# KiCad board LogicBoard_tht2.kicad_pcb (continued)
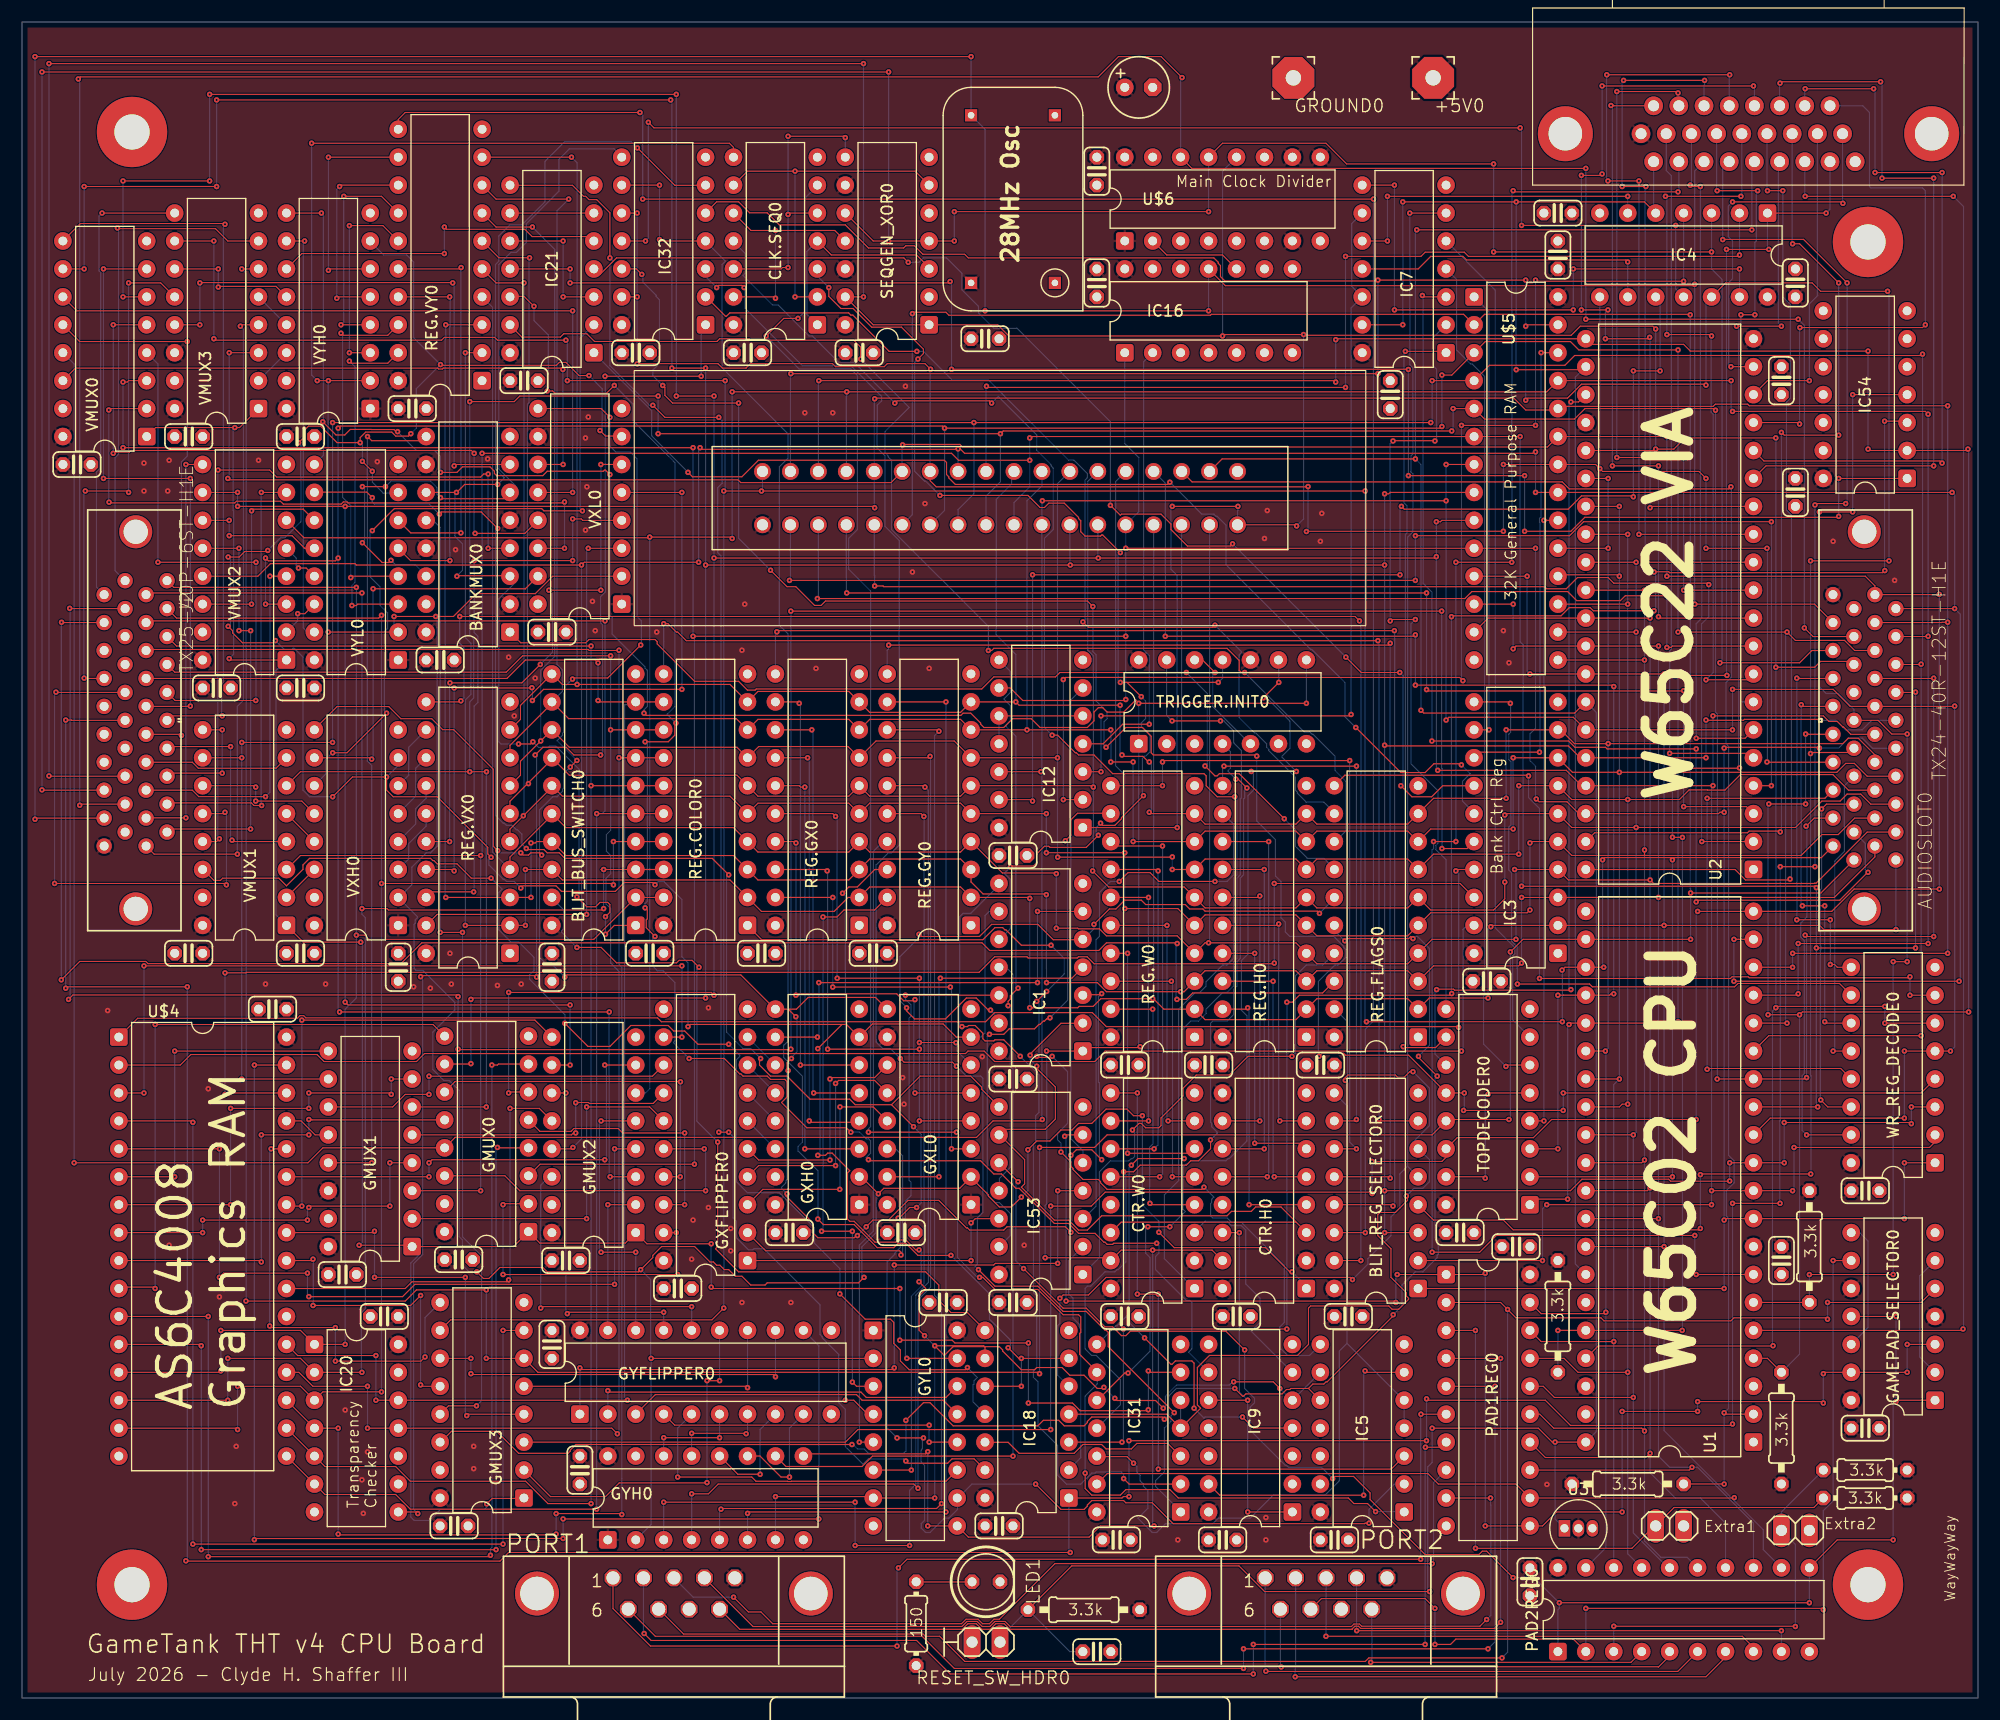
[diagram p0: board, top side]
## Nets (continued)
/CPU and address decode/~{REGSSEL}: IC32.12 TOPDECODER0.12 WR_REG_DECODE0.4
/CPU and address decode/~{RESET}: C47.1 J1.5 R2.2 RESET_SW_HDR0.2 U1.40 U2.34 U3.1 U$3.P$35
/CPU and address decode/~{SPI_CS}: U2.4 U$3.P$2
/CPU and address decode/~{VIASEL}: TOPDECODER0.11 U2.23
/cpu-blitter-inputs_6/~{CLK28}: IC16.10 U$6.2
/DMA Controller/COLORFILL: GMUX3.14 IC5.10 REG.FLAGS0.16
/DMA Controller/DD0: BLIT_BUS_SWITCH0.2 IC20.1 J2.40 REG.COLOR0.19 U$4.13
/DMA Controller/DD1: BLIT_BUS_SWITCH0.3 IC20.2 J2.39 REG.COLOR0.18 U$4.14
/DMA Controller/DD2: BLIT_BUS_SWITCH0.4 IC20.3 J2.38 REG.COLOR0.17 U$4.15
/DMA Controller/DD3: BLIT_BUS_SWITCH0.5 IC20.6 J2.37 REG.COLOR0.16 U$4.17
/DMA Controller/DD4: BLIT_BUS_SWITCH0.6 IC20.5 J2.36 REG.COLOR0.15 U$4.18
/DMA Controller/DD5: BLIT_BUS_SWITCH0.7 IC20.4 J2.35 REG.COLOR0.14 U$4.19
/DMA Controller/DD6: BLIT_BUS_SWITCH0.8 IC20.11 J2.34 REG.COLOR0.13 U$4.20
/DMA Controller/DD7: BLIT_BUS_SWITCH0.9 IC20.12 J2.33 REG.COLOR0.12 U$4.21
/DMA Controller/DMAMODE: BLIT_REG_SELECTOR0.6 IC18.4 IC31.4 IC31.5 REG.FLAGS0.19
/DMA Controller/GA14: GXFLIPPER0.12 U$4.3
/DMA Controller/GA15: GYFLIPPER0.12 U$4.31
/DMA Controller/GA16: IC3.19 U$4.2
/DMA Controller/GA17: IC3.18 U$4.30
/DMA Controller/GA18: IC3.17 U$4.1
/DMA Controller/GX-CARRY: GXH0.10 IC1.6
/DMA Controller/GX-CARRY?: GXL0.15 IC1.4
/DMA Controller/GY-CARRY: GYH0.10 IC1.11
/DMA Controller/GY-CARRY?: GYL0.15 IC1.12
/DMA Controller/IRQ: IC9.9 IC21.12
/DMA Controller/IRQ-ENABLE: IC21.13 REG.FLAGS0.13
/DMA Controller/OFFSCR_X: IC21.2 VXH0.11
/DMA Controller/OFFSCR_Y: IC21.5 VYH0.11
/DMA Controller/P0: CLK.SEQ0.11 CTR.W0.1
/DMA Controller/P1: CLK.SEQ0.8 CTR.H0.1 GXH0.2 GXL0.2 GYH0.2 GYL0.2 VXH0.2 VXL0.2 VYH0.2 VYL0.2
/DMA Controller/P2: CLK.SEQ0.6 IC5.1 IC31.9
/DMA Controller/P3: CLK.SEQ0.3 IC1.10 TRIGGER.INIT0.11
/DMA Controller/ROWCOMPLETE: GYL0.10 IC5.2 IC53.8 VYL0.10
/DMA Controller/RUNNING: GXH0.7 GXL0.7 GYH0.7 GYL0.7 IC1.9 IC5.9 IC9.5 IC18.9 VXH0.7 VXL0.7 VYH0.7 VYL0.7
/DMA Controller/SEQGEN_HIGH: CLK.SEQ0.2 CLK.SEQ0.9 SEQGEN_XOR0.6
/DMA Controller/SEQGEN_LOW: CLK.SEQ0.1 CLK.SEQ0.4 SEQGEN_XOR0.3
/DMA Controller/TRIGGER-SELECT: BLIT_REG_SELECTOR0.9 IC5.4 IC5.5 IC31.12
/DMA Controller/V/_G: BANKMUX0.1 REG.FLAGS0.14
/DMA Controller/VA0: J2.32 VMUX0.4
/DMA Controller/VA1: J2.31 VMUX0.7
/DMA Controller/VA2: J2.30 VMUX0.9
/DMA Controller/VA3: J2.29 VMUX0.12
/DMA Controller/VA4: J2.28 VMUX1.4
/DMA Controller/VA5: J2.27 VMUX1.7
/DMA Controller/VA6: J2.26 VMUX1.9
/DMA Controller/VA7: J2.25 VMUX2.4
/DMA Controller/VA8: J2.24 VMUX2.7
/DMA Controller/VA9: J2.23 VMUX2.9
/DMA Controller/VA10: J2.22 VMUX2.12
/DMA Controller/VA11: J2.21 VMUX3.4
/DMA Controller/VA12: J2.20 VMUX3.7
/DMA Controller/VA13: J2.19 VMUX3.9
/DMA Controller/VG_OE: BANKMUX0.6 BANKMUX0.14 IC32.8
/DMA Controller/VG_WE: BANKMUX0.3 BANKMUX0.11 BLIT_BUS_SWITCH0.1 IC32.6
/DMA Controller/VID_OUT_PAGE: J2.17 REG.FLAGS0.18
/DMA Controller/VNMI_ENABLE: IC53.1 REG.FLAGS0.17
/DMA Controller/VRAMBANK: IC3.16 J2.18
/DMA Controller/XDIR: IC53.13 REG.W0.12
/DMA Controller/YDIR: IC53.3 REG.H0.12
/DMA Controller/~{COPYDONE}: CTR.H0.14 IC9.1 IC9.10
/DMA Controller/~{DIRECT-SELECT}: IC18.6 IC18.10 IC32.4 IC32.9
/DMA Controller/~{DMAMODE}: GMUX0.1 GMUX1.1 GMUX2.1 GMUX3.1 IC31.6 VMUX0.1 VMUX1.1 VMUX2.1 VMUX3.1
/DMA Controller/~{INIT}: CTR.H0.15 CTR.W0.15 GYH0.9 GYL0.9 IC1.1 TRIGGER.INIT0.1 TRIGGER.INIT0.8 VYH0.9 VYL0.9
/DMA Controller/~{IRQ-OUT}: IC21.11 IC54.1
/DMA Controller/~{ROWCOMPLETE}: CTR.H0.3 CTR.W0.14 IC1.2 IC53.9
/DMA Controller/~{RUNNING}: CTR.W0.3 IC9.6
/DMA Controller/~{SEQGEN_HIGH}: CLK.SEQ0.5 CLK.SEQ0.12 SEQGEN_XOR0.8
/DMA Controller/~{SEQGEN_LOW}: CLK.SEQ0.10 CLK.SEQ0.13 SEQGEN_XOR0.11
/DMA Controller/~{TILEMODE}: IC1.5 IC1.13 REG.FLAGS0.15
/DMA Controller/~{TRANSEN}: IC32.2 REG.FLAGS0.12
/DMA Controller/~{VOE}: J2.13 VMUX3.12
/DMA Controller/~{VWE}: J2.12 VMUX1.12
/DMA Controller/~{WRAP_X}: IC3.15 IC21.1
/DMA Controller/~{WRAP_Y}: IC3.14 IC21.4
/DMA Controller/~{XRELOAD}: GXH0.9 GXL0.9 IC1.3 VXH0.9 VXL0.9
A0: AUDIOSLOT0.32 BLIT_REG_SELECTOR0.1 GMUX0.3 IC12.9 IC16.1 U1.9 U2.38 U$3.P$14 U$5.10 VMUX0.3 WR_REG_DECODE0.1
A1: AUDIOSLOT0.31 BLIT_REG_SELECTOR0.2 GMUX0.6 U1.10 U2.37 U$3.P$13 U$5.9 VMUX0.6 WR_REG_DECODE0.2
A2: AUDIOSLOT0.30 BLIT_REG_SELECTOR0.3 GMUX0.10 U1.11 U2.36 U$3.P$12 U$5.8 VMUX0.10 WR_REG_DECODE0.3
A3: AUDIOSLOT0.29 GMUX0.13 IC12.12 U1.12 U2.35 U$3.P$11 U$5.7 VMUX0.13 WR_REG_DECODE0.5
A4: AUDIOSLOT0.28 GMUX1.3 U1.13 U$3.P$10 U$5.6 VMUX1.3
A5: AUDIOSLOT0.27 GMUX1.6 U1.14 U$3.P$9 U$5.5 VMUX1.6
A6: AUDIOSLOT0.26 GMUX1.10 U1.15 U$3.P$8 U$5.4 VMUX1.10
A7: AUDIOSLOT0.25 GMUX2.3 U1.16 U$3.P$7 U$5.3 VMUX2.3
A8: AUDIOSLOT0.24 GMUX2.6 U1.17 U$3.P$22 U$5.25 VMUX2.6
A9: AUDIOSLOT0.23 GMUX2.10 U1.18 U$3.P$23 U$5.24 VMUX2.10
A10: AUDIOSLOT0.22 GMUX2.13 U1.19 U$3.P$26 U$5.21 VMUX2.13
A11: AUDIOSLOT0.21 GMUX3.3 TOPDECODER0.14 U1.20 U$3.P$24 U$5.23 VMUX3.3
A12: AUDIOSLOT0.20 GMUX3.6 TOPDECODER0.13 U1.22 U$3.P$6 U$5.2 VMUX3.6
A13: AUDIOSLOT0.19 GMUX3.10 TOPDECODER0.2 U1.23 U$3.P$19 VMUX3.10
AUD_LFSR_X: AUDIOSLOT0.9 WR_REG_DECODE0.11
AUD_RESET: AUDIOSLOT0.17 WR_REG_DECODE0.15
AUD_SAMP_RATE_SEL: AUDIOSLOT0.7 WR_REG_DECODE0.9
AUD_SQ2_N: AUDIOSLOT0.15 WR_REG_DECODE0.13
AUD_SQ2_X: AUDIOSLOT0.14 WR_REG_DECODE0.12
CLK3_5: AUDIOSLOT0.6 IC12.1 J2.6 SEQGEN_XOR0.1 SEQGEN_XOR0.13 U1.37 U2.25 U$3.P$18 U$6.12 WR_REG_DECODE0.6
CLK7: AUDIOSLOT0.5 IC4.3 J2.5 SEQGEN_XOR0.4 SEQGEN_XOR0.10 U$6.13
CLK14: AUDIOSLOT0.4 J2.4 U$6.14
CLK28: AUDIOSLOT0.3 IC16.11 J1.3 J2.3 U$2.P$4
D0: AUDIOSLOT0.40 BLIT_BUS_SWITCH0.18 IC3.2 IC31.13 PAD1REG0.12 PAD2REG0.12 REG.COLOR0.2 REG.FLAGS0.2 REG.GX0.2 REG.GY0.2 REG.H0.2 REG.VX0.2 REG.VY0.2 REG.W0.2 U1.33 U2.33 U$3.P$15 U$5.11
D1: AUDIOSLOT0.39 BLIT_BUS_SWITCH0.17 IC3.3 PAD1REG0.13 PAD2REG0.13 REG.COLOR0.3 REG.FLAGS0.3 REG.GX0.3 REG.GY0.3 REG.H0.3 REG.VX0.3 REG.VY0.3 REG.W0.3 U1.32 U2.32 U$3.P$16 U$5.12
D2: AUDIOSLOT0.38 BLIT_BUS_SWITCH0.16 IC3.4 PAD1REG0.14 PAD2REG0.14 REG.COLOR0.4 REG.FLAGS0.4 REG.GX0.4 REG.GY0.4 REG.H0.4 REG.VX0.4 REG.VY0.4 REG.W0.4 U1.31 U2.31 U$3.P$17 U$5.13
D3: AUDIOSLOT0.37 BLIT_BUS_SWITCH0.15 IC3.5 PAD1REG0.15 PAD2REG0.15 REG.COLOR0.5 REG.FLAGS0.5 REG.GX0.5 REG.GY0.5 REG.H0.5 REG.VX0.5 REG.VY0.5 REG.W0.5 U1.30 U2.30 U$3.P$32 U$5.15
D4: AUDIOSLOT0.36 BLIT_BUS_SWITCH0.14 IC3.6 PAD1REG0.16 PAD2REG0.16 REG.COLOR0.6 REG.FLAGS0.6 REG.GX0.6 REG.GY0.6 REG.H0.6 REG.VX0.6 REG.VY0.6 REG.W0.6 U1.29 U2.29 U$3.P$31 U$5.16
D5: AUDIOSLOT0.35 BLIT_BUS_SWITCH0.13 IC3.7 PAD1REG0.17 PAD2REG0.17 REG.COLOR0.7 REG.FLAGS0.7 REG.GX0.7 REG.GY0.7 REG.H0.7 REG.VX0.7 REG.VY0.7 REG.W0.7 U1.28 U2.28 U$3.P$30 U$5.17
D6: AUDIOSLOT0.34 BLIT_BUS_SWITCH0.12 IC3.8 PAD1REG0.18 PAD2REG0.18 REG.COLOR0.8 REG.FLAGS0.8 REG.GX0.8 REG.GY0.8 REG.H0.8 REG.VX0.8 REG.VY0.8 REG.W0.8 U1.27 U2.27 U$3.P$29 U$5.18
D7: AUDIOSLOT0.33 BLIT_BUS_SWITCH0.11 IC3.9 PAD1REG0.19 PAD2REG0.19 REG.COLOR0.9 REG.FLAGS0.9 REG.GX0.9 REG.GY0.9 REG.H0.9 REG.VX0.9 REG.VY0.9 REG.W0.9 U1.26 U2.26 U$3.P$28 U$5.19
GRAM_PAGE_SEL: IC3.11 WR_REG_DECODE0.10
RAM_PG_0: IC3.13 U$5.26
RAM_PG_1: IC3.12 U$5.1
VIDFLAGS: REG.FLAGS0.11 WR_REG_DECODE0.7
VNMI: IC18.1 J1.4 J2.10
~{AUD_NMI}: AUDIOSLOT0.16 WR_REG_DECODE0.14
~{CLK7}: IC4.4 IC12.2
~{GAMEPAD1R}: GAMEPAD_SELECTOR0.3 GAMEPAD_SELECTOR0.13 IC53.6 PAD1REG0.1 PAD1REG0.11
~{GAMEPAD2R}: GAMEPAD_SELECTOR0.1 GAMEPAD_SELECTOR0.11 IC53.10 PAD2REG0.1 PAD2REG0.11
~{IRQ}: AUDIOSLOT0.11 IC54.2 R4.2 U1.4 U2.21 U$3.P$21
~{NMI}: AUDIOSLOT0.10 IC54.4 R3.2 U1.6
~{RE2}: AUDIOSLOT0.13 IC4.8 IC32.10 IC32.13 U$3.P$25 U$5.22
~{VID_SEL}: BLIT_REG_SELECTOR0.5 IC7.6 IC18.5
~{WAV_SEL}: AUDIOSLOT0.18 IC7.3
~{WE2}: AUDIOSLOT0.12 BLIT_REG_SELECTOR0.4 IC4.12 IC32.5 U$3.P$20 U$5.27
Net-(BANKMUX0A-1Y): BANKMUX0.4 VMUX1.13
Net-(BANKMUX0A-2Y): BANKMUX0.7 VMUX3.13
Net-(BANKMUX0A-3Y): BANKMUX0.9 GMUX1.13
Net-(BANKMUX0A-4Y): BANKMUX0.12 GMUX3.13
Net-(BLIT_BUS_SWITCH0C-~{G}): BLIT_BUS_SWITCH0.19 IC18.8
Net-(BLIT_REG_SELECTOR0B-Y0): BLIT_REG_SELECTOR0.15 REG.VX0.11
Net-(BLIT_REG_SELECTOR0B-Y1): BLIT_REG_SELECTOR0.14 REG.VY0.11
Net-(BLIT_REG_SELECTOR0B-Y2): BLIT_REG_SELECTOR0.13 REG.GX0.11
Net-(BLIT_REG_SELECTOR0B-Y3): BLIT_REG_SELECTOR0.12 REG.GY0.11
Net-(BLIT_REG_SELECTOR0B-Y4): BLIT_REG_SELECTOR0.11 REG.W0.11
Net-(BLIT_REG_SELECTOR0B-Y5): BLIT_REG_SELECTOR0.10 REG.H0.11
Net-(BLIT_REG_SELECTOR0B-Y7): BLIT_REG_SELECTOR0.7 REG.COLOR0.11
Net-(CTR.H0A-P0): CTR.H0.4 REG.H0.19
Net-(CTR.H0A-P1): CTR.H0.5 REG.H0.18
Net-(CTR.H0A-P2): CTR.H0.6 REG.H0.17
Net-(CTR.H0A-P3): CTR.H0.7 REG.H0.16
Net-(CTR.H0A-P4): CTR.H0.10 REG.H0.15
Net-(CTR.H0A-P5): CTR.H0.11 REG.H0.14
Net-(CTR.H0A-P6): CTR.H0.12 REG.H0.13
Net-(CTR.W0A-P0): CTR.W0.4 REG.W0.19
Net-(CTR.W0A-P1): CTR.W0.5 REG.W0.18
Net-(CTR.W0A-P2): CTR.W0.6 REG.W0.17
Net-(CTR.W0A-P3): CTR.W0.7 REG.W0.16
Net-(CTR.W0A-P4): CTR.W0.10 REG.W0.15
Net-(CTR.W0A-P5): CTR.W0.11 REG.W0.14
Net-(CTR.W0A-P6): CTR.W0.12 REG.W0.13
Net-(CTR.W0A-PL): CTR.W0.9 IC5.3
Net-(GAMEPAD_SELECTOR0A-D): GAMEPAD_SELECTOR0.2 GAMEPAD_SELECTOR0.6
Net-(GAMEPAD_SELECTOR0A-Q): GAMEPAD_SELECTOR0.5 PAD1REG0.2 PORT1.7
Net-(GAMEPAD_SELECTOR0B-D): GAMEPAD_SELECTOR0.8 GAMEPAD_SELECTOR0.12
Net-(GAMEPAD_SELECTOR0B-Q): GAMEPAD_SELECTOR0.9 PAD2REG0.2 PORT2.7
Net-(GMUX0A-1A): GMUX0.2 GXFLIPPER0.19
Net-(GMUX0A-1Y): GMUX0.4 U$4.12
Net-(GMUX0A-2A): GMUX0.5 GXFLIPPER0.18
Net-(GMUX0A-2Y): GMUX0.7 U$4.11
Net-(GMUX0A-3A): GMUX0.11 GXFLIPPER0.17
Net-(GMUX0A-3Y): GMUX0.9 U$4.10
Net-(GMUX0A-4A): GMUX0.14 GXFLIPPER0.16
Net-(GMUX0A-4Y): GMUX0.12 U$4.9
Net-(GMUX1A-1A): GMUX1.2 GXFLIPPER0.15
Net-(GMUX1A-1Y): GMUX1.4 U$4.8
Net-(GMUX1A-2A): GMUX1.5 GXFLIPPER0.14
Net-(GMUX1A-2Y): GMUX1.7 U$4.7
Net-(GMUX1A-3A): GMUX1.11 GXFLIPPER0.13
Net-(GMUX1A-3Y): GMUX1.9 U$4.6
Net-(GMUX1A-4Y): GMUX1.12 U$4.29
Net-(GMUX2A-1A): GMUX2.2 GYFLIPPER0.19
Net-(GMUX2A-1Y): GMUX2.4 U$4.5
Net-(GMUX2A-2A): GMUX2.5 GYFLIPPER0.18
Net-(GMUX2A-2Y): GMUX2.7 U$4.27
Net-(GMUX2A-3A): GMUX2.11 GYFLIPPER0.17
Net-(GMUX2A-3Y): GMUX2.9 U$4.26
Net-(GMUX2A-4A): GMUX2.14 GYFLIPPER0.16
Net-(GMUX2A-4Y): GMUX2.12 U$4.23
Net-(GMUX3A-1A): GMUX3.2 GYFLIPPER0.15
Net-(GMUX3A-1Y): GMUX3.4 U$4.25
Net-(GMUX3A-2A): GMUX3.5 GYFLIPPER0.14
Net-(GMUX3A-2Y): GMUX3.7 U$4.4
Net-(GMUX3A-3A): GMUX3.11 GYFLIPPER0.13
Net-(GMUX3A-3Y): GMUX3.9 U$4.28
Net-(GMUX3A-4Y): GMUX3.12 U$4.24
Net-(GXFLIPPER0A-D0): GXFLIPPER0.2 GXL0.14
Net-(GXFLIPPER0A-D1): GXFLIPPER0.3 GXL0.13
Net-(GXFLIPPER0A-D2): GXFLIPPER0.4 GXL0.12
Net-(GXFLIPPER0A-D3): GXFLIPPER0.5 GXL0.11
Net-(GXFLIPPER0A-D4): GXFLIPPER0.6 GXH0.14
Net-(GXFLIPPER0A-D5): GXFLIPPER0.7 GXH0.13
Net-(GXFLIPPER0A-D6): GXFLIPPER0.8 GXH0.12
Net-(GXFLIPPER0A-D7): GXFLIPPER0.9 GXH0.11
Net-(GXFLIPPER0A-T/~{C}): GXFLIPPER0.1 IC53.12
Net-(GXH0A-P0): GXH0.3 REG.GX0.15
Net-(GXH0A-P1): GXH0.4 REG.GX0.14
Net-(GXH0A-P2): GXH0.5 REG.GX0.13
Net-(GXH0A-P3): GXH0.6 REG.GX0.12
Net-(GXL0A-P0): GXL0.3 REG.GX0.19
Net-(GXL0A-P1): GXL0.4 REG.GX0.18
Net-(GXL0A-P2): GXL0.5 REG.GX0.17
Net-(GXL0A-P3): GXL0.6 REG.GX0.16
Net-(GYFLIPPER0A-D0): GYFLIPPER0.2 GYL0.14
Net-(GYFLIPPER0A-D1): GYFLIPPER0.3 GYL0.13
Net-(GYFLIPPER0A-D2): GYFLIPPER0.4 GYL0.12
Net-(GYFLIPPER0A-D3): GYFLIPPER0.5 GYL0.11
Net-(GYFLIPPER0A-D4): GYFLIPPER0.6 GYH0.14
Net-(GYFLIPPER0A-D5): GYFLIPPER0.7 GYH0.13
Net-(GYFLIPPER0A-D6): GYFLIPPER0.8 GYH0.12
Net-(GYFLIPPER0A-D7): GYFLIPPER0.9 GYH0.11
Net-(GYFLIPPER0A-T/~{C}): GYFLIPPER0.1 IC53.4
Net-(GYH0A-P0): GYH0.3 REG.GY0.15
Net-(GYH0A-P1): GYH0.4 REG.GY0.14
Net-(GYH0A-P2): GYH0.5 REG.GY0.13
Net-(GYH0A-P3): GYH0.6 REG.GY0.12
Net-(GYL0A-P0): GYL0.3 REG.GY0.19
Net-(GYL0A-P1): GYL0.4 REG.GY0.18
Net-(GYL0A-P2): GYL0.5 REG.GY0.17
Net-(GYL0A-P3): GYL0.6 REG.GY0.16
Net-(IC1C-O): IC1.8 IC31.2
Net-(IC4D-I): IC4.9 IC7.11
Net-(IC4F-I): IC4.13 IC7.8
Net-(IC5B-O): IC5.6 IC9.13
Net-(IC5C-O): IC5.8 REG.COLOR0.1
Net-(IC7A-I0): IC7.1 TOPDECODER0.10
Net-(IC7A-I1): IC7.2 TOPDECODER0.9
Net-(IC12A-O): IC7.9 IC7.12 IC12.3
Net-(IC12B-I0): IC12.4 IC16.2
Net-(IC12B-I1): IC12.5 IC12.10 IC12.11
Net-(IC12B-O): IC12.6 IC53.5
Net-(IC12C-O): IC12.8 IC53.11
Net-(IC12D-I1): IC4.10 IC12.13
Net-(IC18A-I1): IC18.2 IC53.2
Net-(IC18A-O): IC18.3 IC54.3
Net-(IC18D-I0): IC18.12 IC31.3
Net-(IC18D-I1): IC18.13 IC21.8
Net-(IC18D-O): IC18.11 VMUX1.14
Net-(IC20A-O): IC20.8 IC32.1
Net-(IC21A-O): IC21.3 IC21.10
Net-(IC21B-O): IC21.6 IC21.9
Net-(IC31A-I0): IC31.1 IC32.3
Net-(IC31C-I1): IC31.10 TRIGGER.INIT0.9
Net-(IC31C-O): IC9.4 IC31.8 TRIGGER.INIT0.13
Net-(IC31D-O): IC31.11 TRIGGER.INIT0.4
Net-(IC32D-O): IC4.11 IC32.11
Net-(J1-Pin_11): J1.11 U2.5
Net-(J1-Pin_12): J1.12 U2.6
Net-(J1-Pin_13): J1.13 U2.7
Net-(J1-Pin_14): J1.14 U2.8
Net-(J1-Pin_15): J1.15 U2.40
Net-(J1-Pin_16): J1.16 U2.39
Net-(J1-Pin_17): J1.17 U2.18
Net-(J1-Pin_18): J1.18 U2.19
Net-(J1-Pin_19): J1.19 U2.10
Net-(J1-Pin_20): J1.20 U2.11
Net-(J1-Pin_21): J1.21 U2.12
Net-(J1-Pin_22): J1.22 U2.13
Net-(J1-Pin_23): J1.23 U2.14
Net-(J1-Pin_24): J1.24 U2.15
Net-(J1-Pin_25): J1.25 U2.16
Net-(J1-Pin_26): J1.26 U2.17
Net-(LED1-PadA): LED1.A R16.2
Net-(PAD1REG0A-2D): EXTRA_BUTTON_1.1 PAD1REG0.3 R7.2
Net-(PAD1REG0A-3D): PAD1REG0.4 PORT1.9
Net-(PAD1REG0A-4D): PAD1REG0.5 PORT1.6
Net-(PAD1REG0A-5D): PAD1REG0.6 PORT1.1
Net-(PAD1REG0A-6D): PAD1REG0.7 PORT1.2
Net-(PAD1REG0A-7D): PAD1REG0.8 PORT1.3
Net-(PAD1REG0A-8D): PAD1REG0.9 PORT1.4
Net-(PAD2REG0A-2D): EXTRA_BUTTON_2.1 PAD2REG0.3 R6.2
Net-(PAD2REG0A-3D): PAD2REG0.4 PORT2.9
Net-(PAD2REG0A-4D): PAD2REG0.5 PORT2.6
Net-(PAD2REG0A-5D): PAD2REG0.6 PORT2.1
Net-(PAD2REG0A-6D): PAD2REG0.7 PORT2.2
Net-(PAD2REG0A-7D): PAD2REG0.8 PORT2.3
Net-(PAD2REG0A-8D): PAD2REG0.9 PORT2.4
Net-(REG.VX0A-1Q): REG.VX0.19 VXL0.3
Net-(REG.VX0A-2Q): REG.VX0.18 VXL0.4
Net-(REG.VX0A-3Q): REG.VX0.17 VXL0.5
Net-(REG.VX0A-4Q): REG.VX0.16 VXL0.6
Net-(REG.VX0A-5Q): REG.VX0.15 VXH0.3
Net-(REG.VX0A-6Q): REG.VX0.14 VXH0.4
Net-(REG.VX0A-7Q): REG.VX0.13 VXH0.5
Net-(REG.VX0A-8Q): REG.VX0.12 VXH0.6
Net-(REG.VY0A-1Q): REG.VY0.19 VYL0.3
Net-(REG.VY0A-2Q): REG.VY0.18 VYL0.4
Net-(REG.VY0A-3Q): REG.VY0.17 VYL0.5
Net-(REG.VY0A-4Q): REG.VY0.16 VYL0.6
Net-(REG.VY0A-5Q): REG.VY0.15 VYH0.3
Net-(REG.VY0A-6Q): REG.VY0.14 VYH0.4
Net-(REG.VY0A-7Q): REG.VY0.13 VYH0.5
Net-(REG.VY0A-8Q): REG.VY0.12 VYH0.6
Net-(TRIGGER.INIT0A-Q): TRIGGER.INIT0.5 TRIGGER.INIT0.12
Net-(VMUX0A-1A): VMUX0.2 VXL0.14
Net-(VMUX0A-2A): VMUX0.5 VXL0.13
Net-(VMUX0A-3A): VMUX0.11 VXL0.12
Net-(VMUX0A-4A): VMUX0.14 VXL0.11
Net-(VMUX1A-1A): VMUX1.2 VXH0.14
Net-(VMUX1A-2A): VMUX1.5 VXH0.13
Net-(VMUX1A-3A): VMUX1.11 VXH0.12
Net-(VMUX2A-1A): VMUX2.2 VYL0.14
Net-(VMUX2A-2A): VMUX2.5 VYL0.13
Net-(VMUX2A-3A): VMUX2.11 VYL0.12
Net-(VMUX2A-4A): VMUX2.14 VYL0.11
Net-(VMUX3A-1A): VMUX3.2 VYH0.14
Net-(VMUX3A-2A): VMUX3.5 VYH0.13
Net-(VMUX3A-3A): VMUX3.11 VYH0.12
Net-(VXH0A-ENT): VXH0.10 VXL0.15
Net-(VYH0A-ENT): VYH0.10 VYL0.15

Pads without a net: AUDIOSLOT0 8 41 42; GXH0 15; GYH0 15; IC5 11 12 13; IC9 8; IC16 3 4 5 6 8 9 12 13; IC20 9 10 13; IC54 5 6 8 9 10 11 12 13; J1 G; J2 7 8 9 11 14 15 16 41 42; TRIGGER.INIT0 6; U1 1 3 35 39; U$2 P$1; U$6 8 11 15; VXH0 15; VXL0 8 16; VYH0 15

## Via types
v1: diameter 0.5, hole 0.2, Top to Bottom, 1492 vias

## Routing (per net, layer and track width the routed paths; a pad name or vN(x,y) marks a point on that pad's centre or on a via; arc(x,y) is an arc through that point)
VCC:
  vias: v1(7.79,62.51) v1(11.09,112.29) v1(11.09,109.75) v1(13.25,109.75) v1(13.37,112.55) v1(13.37,41.17) v1(16.93,55.4) v1(17.95,36.47) v1(19.34,17.68) v1(19.47,22.89) v1(21.5,112.55) v1(22.14,64.92) v1(27.6,64.92) v1(29.38,26.19) v1(30.9,19.84) v1(31.03,16.79) v1(31.41,22.38) v1(32.3,112.42) v1(35.6,64.67) v1(37.12,64.54) v1(38.9,67.72) v1(39.03,64.92) v1(39.41,104.42) v1(41.06,22.89) v1(41.06,20.85) v1(42.33,112.67) v1(43.22,64.8) v1(44.23,94.64) v1(44.74,89.31) v1(45.38,64.92) v1(46.65,92.74) v1(51.22,114.58) v1(51.22,106.2) v1(51.35,110.13) v1(51.47,116.48) v1(51.85,99.72) v1(52.11,97.05) v1(57.7,96.93) v1(60.87,39.9) v1(61,43.46) v1(62.4,62.76) v1(62.4,44.6) v1(64.43,42.7) v1(64.43,40.67) v1(65.44,95.28) v1(65.44,35.97) v1(65.7,99.47) v1(69.89,35.97) v1(71.16,116.87) v1(72.17,93.62) v1(73.7,116.87) v1(80.05,56.41) v1(80.18,54) v1(80.3,119.28) v1(80.94,102.39) v1(82.08,108.61) v1(82.46,93.62) v1(87.29,58.32) v1(91.1,41.17) v1(105.07,14.38) v1(112.94,105.44) v1(113.07,16.41) v1(113.07,14.38) v1(113.2,107.98) v1(118.02,105.18) v1(118.15,107.72) v1(134.66,97.05) v1(135.17,94.13) v1(138.61,19.42) v1(164.63,105.18) v1(170.22,101.63)
/CPU and address decode/_CARTSEL: length 92.3
  Top w0.102: v1(120.31,119.17) 87.77,119.17 v1(87.67,119.28) ; v1(120.31,131.09) 127.17,131.09 127.55,131.47 131.1,131.47 131.48,131.09 155.99,131.09 v1(156.12,131.22)
  Bottom w0.102: U$3.P$27 87.63,119.24 v1(87.67,119.28) ; v1(156.12,131.22) IC4.2 ; v1(120.31,119.17) v1(120.31,131.09)
/CPU and address decode/A14: length 110.5
  Top w0.102: v1(144.69,64.03) 144.44,64.03 144.32,63.91 U1.24 140.12,63.91 140.12,63.91 v1(139.61,63.91) ; TOPDECODER0.3 v1(139.61,49.94) ; v1(126.66,96.67) 126.53,96.55 v1(103.92,96.55) ; v1(144.69,91.97) 144.56,92.1 v1(126.66,92.1)
  Bottom w0.102: v1(144.69,91.97) v1(144.69,64.03) ; v1(126.66,96.67) v1(126.66,92.1) ; U$3.P$33 103.92,110.48 v1(103.92,96.55) ; v1(139.61,49.94) v1(139.61,63.91)
/CPU and address decode/A15: length 122
  Top w0.102: v1(164,135.03) 163.99,135.02 IC4.1 ; v1(140.63,61.24) 140.76,61.37 U1.25 150.03,61.37 150.15,61.49 v1(150.53,61.49) ; v1(154.98,92.99) v1(150.28,92.99) ; v1(158.79,131.72) v1(154.94,131.72) ; v1(140.5,45.36) 137.57,45.36 TOPDECODER0.1
  Bottom w0.102: IC4.1 158.66,131.85 v1(158.79,131.72) ; v1(140.5,45.36) 140.5,61.11 v1(140.63,61.24) ; v1(154.98,92.99) 154.94,93.03 v1(154.94,131.72) ; v1(164,135.03) 164.34,135.38 J1.8 ; v1(150.53,61.49) 150.53,92.74 v1(150.28,92.99)
/CPU and address decode/BusEnable: length 133
  Top w0.102: v1(156.12,84.58) 156.09,84.54 150.22,84.54 v1(150.03,84.73) ; v1(150.03,78.27) 150.04,78.26 v1(150.94,78.26) ; v1(150.91,33.43) 150.91,33.43 U1.36 139.62,33.43 v1(139.61,33.43) ; v1(155.85,124.74) v1(159.93,124.74)
  Bottom w0.102: v1(150.91,33.43) 150.94,33.45 v1(150.94,78.26) ; v1(155.85,124.74) 156.04,124.54 156.04,84.65 v1(156.12,84.58) ; v1(159.93,124.74) 159.66,125.02 159.66,139.59 J1.6 ; R5.1 v1(139.61,33.43) ; v1(150.03,78.27) v1(150.03,84.73)
/CPU and address decode/MemLock: length 139.1
  Top w0.102: U1.5 176.32,33.43 v1(176.44,33.55) ; v1(162.09,136.55) v1(175.55,136.55)
  Bottom w0.102: v1(175.55,136.55) 176.48,135.62 176.48,33.6 v1(176.44,33.55) ; v1(162.09,136.55) 162.06,136.59 J1.7
/CPU and address decode/N$37_2: length 75.7
  Bottom w0.102: IC7.5 133.92,128.01 133.92,70.01 135.7,68.23 135.7,67.68 135.5,67.48 135.5,61.67 TOPDECODER0.7
/CPU and address decode/N$38_2: length 77.2
  Top w0.102: TOPDECODER0.6 135.02,57.56 v1(134.89,57.43)
  Bottom w0.102: v1(134.89,57.43) 132.86,59.46 132.86,63.82 132.95,63.91 132.95,120.18 131.82,121.31 131.66,121.31 130.4,122.58 130.4,128.99 IC7.4
/CPU and address decode/N$39_2: length 15.2
  Top w0.102: TOPDECODER0.5 133.39,55.02 v1(133.26,54.89) ; TOPDECODER0.15 132.88,47.4 v1(133.01,47.27)
  Bottom w0.102: v1(133.01,47.27) 133.01,54.64 v1(133.26,54.89)
/CPU and address decode/R/~{W}: length 148.1
  Top w0.102: v1(125.51,136.04) 147.48,136.04 IC4.5 ; v1(125.51,124.87) IC7.13 ; U2.22 141.88,120.78 v1(135.82,120.78)
  Bottom w0.102: v1(135.82,120.78) v1(135.82,136.04) ; U2.22 141.2,120.1 141.2,39.46 U1.34 ; J1.1 148.31,135.21 IC4.5 ; v1(125.51,136.04) v1(125.51,124.87)
/CPU and address decode/READY: length 148.8
  Top w0.102: U1.2 154.85,25.81 v1(154.72,25.93) ; U$3.P$34 106.36,110.58 140.01,110.58 140.65,109.94 155.15,109.94 v1(155.34,110.13) ; v1(154.72,19.46) 154.72,19.46 R1.1
  Bottom w0.102: v1(155.34,110.13) 155.38,110.09 155.38,92.82 154.89,92.33 154.89,86.78 155.13,86.54 155.13,49.34 155.63,48.83 155.63,46.85 154.93,46.14 154.93,43.83 155.13,43.63 155.13,26.34 v1(154.72,25.93) v1(154.72,19.46)
/CPU and address decode/SPI_CLK: length 110.5
  Top w0.102: v1(152.69,77.88) U2.2 ; v1(77.51,101.12) 78.27,101.12 78.33,101.05 138.4,101.05 138.6,100.86 140.37,100.86 141.39,101.88 144.18,101.88 144.69,101.37 153.2,101.37 v1(153.33,101.24)
  Bottom w0.102: U$3.P$5 77.47,102.1 77.51,102.06 v1(77.51,101.12) ; v1(153.33,101.24) 153.33,98.32 152.67,97.67 152.67,77.9 v1(152.69,77.88)
/CPU and address decode/SPI_MISO: length 97.4
  Top w0.102: v1(149.52,100.23) 145.74,100.23 145.29,99.78 141.33,99.78 140.5,100.61 131.79,100.61 131.16,99.97 v1(72.3,99.97) ; v1(149.52,95.53) 149.9,95.53 150.03,95.66 U2.9
  Bottom w0.102: v1(149.52,100.23) v1(149.52,95.53) ; v1(72.3,99.97) 72.39,100.06 U$3.P$3
/CPU and address decode/SPI_MOSI: length 108.3
  Top w0.102: v1(127.67,91.7) 127.8,91.57 151.02,91.57 v1(151.04,91.59) ; U2.3 156.76,81.05 v1(151.04,81.05) ; v1(74.97,100.48) v1(127.67,100.48)
  Bottom w0.102: v1(74.97,100.48) 74.93,100.52 U$3.P$4 ; v1(151.04,91.59) v1(151.04,81.05) ; v1(127.67,100.48) v1(127.67,91.7)
/CPU and address decode/sync: length 154.9
  Top w0.102: v1(130.34,77.88) v1(128.31,77.88) ; v1(135.42,103.28) v1(130.34,103.28) ; U1.7 152.19,38.51 v1(152.18,38.51) ; v1(150.53,136.95) 135.65,136.95 v1(135.55,137.06) ; v1(128.18,40.54) 132.5,40.54 134.02,42.06 v1(152.06,42.06)
  Bottom w0.102: v1(130.34,103.28) v1(130.34,77.88) ; J1.2 150.6,137.03 v1(150.53,136.95) ; v1(152.06,42.06) 152.06,38.63 v1(152.18,38.51) ; v1(135.42,103.28) 135.42,136.93 v1(135.55,137.06) ; v1(128.31,77.88) 128.31,77.24 128.18,77.11 v1(128.18,40.54)
/CPU and address decode/W/~{R}: length 29.7
  Top w0.102: v1(124.12,132.49) IC7.10 ; v1(145.96,136.55) v1(124.12,136.55)
  Bottom w0.102: v1(124.12,136.55) v1(124.12,132.49) ; IC4.6 v1(145.96,136.55)
/CPU and address decode/~{RAMSEL}: length 57.2
  Top w0.102: TOPDECODER0.4 v1(138.34,52.48) ; v1(138.34,107.09) U$5.20
  Bottom w0.102: v1(138.34,52.48) v1(138.34,107.09)
/CPU and address decode/~{REGSSEL}: length 194.3
  Top w0.102: v1(68.04,102.55) 69.54,101.05 70.34,101.05 72.04,99.35 72.64,99.35 73.04,99.75 96.84,99.75 v1(97.34,99.25) ; v1(140.1,55.02) 172.63,55.02 WR_REG_DECODE0.4 ; v1(131.03,53.43) 140.12,53.43 ; v1(117.89,58.35) 118.17,58.62 120.13,58.62 120.3,58.45 126.04,58.45 129.44,55.05 ; v1(65.14,117.75) 59.14,117.75 58.44,118.45 58.44,119.15 v1(58.24,119.35) ; v1(56.34,129.45) 55.84,129.95 54.54,129.95 ; TOPDECODER0.12 v1(131.1,55.02) ; v1(98.54,86.45) 100.34,88.25 101.84,88.25 102.64,87.45 102.64,85.95 102.84,85.75 112.14,85.75 v1(112.24,85.65)
  Bottom w0.102: v1(97.34,99.25) 97.34,95.15 97.64,94.85 97.64,90.65 98.64,89.65 98.64,89.05 98.34,88.75 98.34,86.65 v1(98.54,86.45) ; v1(140.1,53.43) v1(140.1,55.02) ; v1(112.24,85.65) 112.24,79.75 113.94,78.05 113.94,74.75 114.44,74.25 114.44,70.95 114.84,70.55 114.84,69.65 115.24,69.25 119.24,69.25 120.14,68.35 120.14,68.25 120.34,68.05 120.34,67.35 119.64,66.65 119.34,66.65 117.84,65.15 117.84,58.75 117.89,58.7 v1(117.89,58.35) ; v1(56.34,129.45) 56.44,129.35 56.44,128.75 57.64,127.55 57.64,127.45 57.94,127.15 57.94,121.35 57.34,120.75 57.34,120.25 v1(58.24,119.35) ; v1(68.04,102.55) 65.14,105.45 v1(65.14,117.75) ; v1(131.1,55.02) 131.1,53.5
/CPU and address decode/~{RESET}: length 271
  Top w0.102: v1(126.66,112.67) 109.09,112.67 U$3.P$35 ; v1(127.17,89.81) 127.42,89.56 141.14,89.56 U2.34 ; v1(127.95,9.68) 112.96,9.68 110.62,12.01 95.43,12.01 R2.2 ; v1(126.78,133.5) v1(157.24,133.5) ; U1.40 v1(139.36,23.27) 139.1,23.27 137.83,24.54 v1(128.18,24.54)
  Bottom w0.102: U3.1 139.36,16.28 v1(139.36,23.27) ; U2.34 143.1,89.62 143.1,24.22 U1.40 ; J1.5 157.24,139.47 v1(157.24,133.5) ; v1(126.78,133.5) 126.66,133.38 v1(126.66,112.67) 127.17,112.17 v1(127.17,89.81) ; RESET_SW_HDR0.2 88.9,5.49 R2.2 95.25,4.22 C47.1 ; v1(127.95,9.68) 127.78,9.85 127.78,21.02 128.18,21.42 v1(128.18,24.54)
/CPU and address decode/~{SPI_CS}: length 124.6
  Top w0.102: v1(159.02,82.96) U2.4 ; v1(126.66,105.69) 140.68,105.69 141.95,106.96 v1(159.02,106.96) ; v1(69.76,101.63) v1(126.66,101.63)
  Bottom w0.102: U$3.P$2 69.85,101.71 v1(69.76,101.63) ; v1(159.02,106.96) v1(159.02,82.96) ; v1(126.66,101.63) v1(126.66,105.69)
/CPU and address decode/~{VIASEL}: length 74.8
  Top w0.102: v1(128.58,64.41) 128.63,64.46 130.13,64.46 130.22,64.36 140.74,64.36 v1(140.8,64.41) ; U2.23 141.49,117.85 v1(140.8,117.85)
  Bottom w0.102: v1(128.58,64.41) 128.44,64.27 128.44,58.57 TOPDECODER0.11 ; v1(140.8,64.41) 140.62,64.59 140.62,117.68 v1(140.8,117.85)
/cpu-blitter-inputs_6/~{CLK28}: length 8.7
  Top w0.102: IC16.10 109.13,131.22 104.06,131.22 U$6.2
/DMA Controller/COLORFILL: length 147.7
  Top w0.102: 116.94,28.15 115.34,28.15 115.24,28.05 114.94,28.05 114.54,27.65 111.24,27.65 111.04,27.45 110.94,27.45 v1(110.24,28.15) ; 116.94,28.15 118.04,27.05 ; 116.94,28.15 117.34,28.55 118.34,28.55 118.54,28.75 118.64,28.75 124.64,34.75 ; v1(80.34,25.25) 81.94,26.85 82.54,26.85 84.64,24.75 92.34,24.75 92.84,25.25 94.24,25.25 94.74,24.75 96.54,24.75 96.84,25.05 96.84,25.15 97.24,25.55 103.64,25.55 v1(103.84,25.35) ; v1(128.64,56.55) 126.94,58.25 ; v1(75.44,23.05) 50.34,23.05 49.84,22.55 49.84,22.45 49.64,22.25 45.14,22.25 43.14,24.25 39.04,24.25 38.04,23.25 ; v1(126.44,69.05) 126.24,69.25 126.04,69.05 120.44,69.05 v1(120.24,68.85)
  Bottom w0.102: v1(120.24,68.85) 119.34,69.75 119.34,70.25 ; v1(80.34,25.25) 80.34,22.45 80.14,22.25 76.94,22.25 76.54,22.65 75.94,22.65 75.54,23.05 ; v1(126.94,58.35) 127.94,59.35 127.94,68.15 126.84,69.25 126.64,69.25 v1(126.44,69.05) ; v1(128.64,56.55) 128.44,56.35 128.44,41.85 128.74,41.55 128.74,40.35 128.64,40.25 128.64,40.05 127.34,38.75 126.64,38.75 125.44,37.55 125.44,35.65 v1(124.64,34.85) ; v1(103.84,25.35) 104.24,25.75 104.24,27.45 104.94,28.15 v1(110.24,28.15)
/DMA Controller/DD0: length 141.2
  Top w0.102: v1(29.38,32.16) IC20.1 25.32,33.43 v1(18.07,33.43) ; J2.40 13.79,100.99 v1(30.39,100.99) ; v1(18.07,29.74) 17.95,29.62 U$4.13 ; v1(30.39,69.37) 31.15,69.37 31.53,68.99 51.98,68.99 BLIT_BUS_SWITCH0.2 REG.COLOR0.19
  Bottom w0.102: v1(30.39,100.99) v1(30.39,69.37) 30.39,63.65 29.38,62.64 v1(29.38,32.16) ; v1(18.07,29.74) v1(18.07,33.43)
/DMA Controller/DD1: length 148.8
  Top w0.102: J2.39 11.43,100.48 v1(30.9,100.48) ; v1(52.87,71.78) 52.74,71.65 33.31,71.65 33.19,71.78 v1(30.9,71.78) ; REG.COLOR0.18 BLIT_BUS_SWITCH0.3 52.64,75.34 v1(52.87,75.34) ; v1(18.71,30.89) 25.32,30.89 IC20.2 v1(30.9,29.62) ; U$4.14 v1(18.71,27.08)
  Bottom w0.102: v1(52.87,75.34) v1(52.87,71.78) ; v1(18.71,27.08) v1(18.71,30.89) ; v1(30.9,29.62) 30.85,29.67 30.85,35.03 31.2,35.39 31.2,70.97 30.9,71.27 v1(30.9,71.78) v1(30.9,100.48)
/DMA Controller/DD2: length 148.9
  Top w0.102: v1(53.76,77.88) BLIT_BUS_SWITCH0.4 REG.COLOR0.17 ; v1(19.6,24.41) 19.47,24.54 U$4.15 ; v1(32.68,74.07) 53.63,74.07 v1(53.76,73.94) ; J2.38 14.05,98.2 32.42,98.2 v1(32.68,98.45) ; v1(19.6,28.35) 25.32,28.35 IC20.3 27.35,27.84 v1(32.68,27.84)
  Bottom w0.102: v1(53.76,73.94) v1(53.76,77.88) ; v1(32.68,27.84) v1(32.68,74.07) v1(32.68,98.45) ; v1(19.6,24.41) v1(19.6,28.35)
/DMA Controller/DD3: length 159.5
  Top w0.102: v1(52.24,17.17) 35.3,17.17 33.97,18.5 27.54,18.5 IC20.6 26.58,19.46 U$4.17 ; REG.COLOR0.16 BLIT_BUS_SWITCH0.5 v1(52.24,80.42) ; J2.37 11.43,97.94 v1(53,97.94)
  Bottom w0.102: v1(52.24,17.17) v1(52.24,80.42) 52.74,80.42 53,80.67 v1(53,97.94)
/DMA Controller/DD4: length 154
  Top w0.102: J2.36 14.05,95.66 v1(51.73,95.66) ; REG.COLOR0.15 BLIT_BUS_SWITCH0.6 v1(51.73,82.96) ; v1(51.73,17.68) 47.81,17.68 45.78,19.71 35.3,19.71 33.97,21.04 27.54,21.04 IC20.5 26.58,22 U$4.18
  Bottom w0.102: v1(51.73,95.66) v1(51.73,82.96) v1(51.73,17.68)
/DMA Controller/DD5: length 169.3
  Top w0.102: v1(48.55,16.77) 54.44,16.77 v1(54.52,16.68) ; v1(54.27,85.5) BLIT_BUS_SWITCH0.7 REG.COLOR0.14 ; 58.59,85.5 58.84,85.24 ; v1(28.74,14.91) 28.81,14.83 48.48,14.83 v1(48.55,14.91) ; v1(28.74,24.54) IC20.4 26.58,24.54 U$4.19 ; J2.35 11.37,95.34 51.47,95.34 51.56,95.25 54.25,95.25 v1(54.27,95.28)
  Bottom w0.102: v1(54.27,95.28) v1(54.27,85.5) 54.27,66.7 54.52,66.45 v1(54.52,16.68) ; v1(28.74,24.54) v1(28.74,14.91) ; v1(48.55,14.91) v1(48.55,16.77)
/DMA Controller/DD6: length 152.5
  Top w0.102: v1(54.12,24.03) 53.61,24.54 IC20.11 v1(31.41,24.54) ; J2.34 13.88,93.28 44.02,93.28 45.5,94.77 v1(53.51,94.77) ; U$4.20 25.17,29.62 26.44,28.35 v1(31.41,28.35) ; v1(53.51,88.04) BLIT_BUS_SWITCH0.8 REG.COLOR0.13
  Bottom w0.102: v1(54.12,24.03) 54.27,24.18 54.27,66.07 53.51,66.83 53.51,71.78 53.07,72.21 53.07,74.52 53.51,74.96 53.51,76.61 53.12,76.99 53.12,78.51 53.51,78.89 v1(53.51,88.04) v1(53.51,94.77) ; v1(31.41,28.35) v1(31.41,24.54)
/DMA Controller/DD7: length 151.3
  Top w0.102: v1(52.36,94.13) 52.11,94.39 45.76,94.39 44.08,92.71 J2.33 ; REG.COLOR0.12 BLIT_BUS_SWITCH0.9 52.49,90.58 v1(52.36,90.7) ; v1(55.03,27.08) IC20.12 v1(32.17,27.08) ; v1(32.17,31.14) 25.06,31.14 U$4.21
  Bottom w0.102: v1(55.03,27.08) 54.78,27.33 54.78,90.32 55.53,90.32 BLIT_BUS_SWITCH0.9 ; v1(52.36,94.13) v1(52.36,90.7) ; v1(32.17,31.14) v1(32.17,27.08)
/DMA Controller/DMAMODE: length 84.4
  Top w0.102: v1(125.84,45.65) 125.94,45.55 125.94,45.25 124.84,44.15 123.44,44.15 123.24,43.95 123.24,42.05 124.44,40.85 124.44,38.25 125.84,36.85 125.84,36.55 126.04,36.35 126.04,36.25 125.14,35.35 124.54,35.35 124.24,35.65 117.14,35.65 116.94,35.45 116.94,32.15 115.94,31.15 107.94,31.15 106.84,30.05 106.84,26.65 107.14,26.35 105.34,24.55 ; IC18.4 104.05,25.81 IC31.4 ; v1(126.44,56.95) 126.14,56.95 125.64,56.45 125.04,56.45 124.84,56.65 120.52,56.65 120.29,56.41 v1(120.29,56.16)
  Bottom w0.102: v1(126.44,56.95) 127.94,55.45 127.94,52.05 126.44,50.55 126.44,50.45 127.94,48.95 127.94,46.95 127.34,46.35 126.54,46.35 v1(125.84,45.65) ; IC31.4 IC31.5 ; v1(120.29,56.16) 120.48,56.36 120.48,61.51 119.34,62.65
/DMA Controller/GA14: length 70.9
  Top w0.102: v1(59.98,60.1) GXFLIPPER0.12 ; v1(11.09,66.57) v1(59.98,66.57) ; U$4.3 v1(11.09,55.02)
  Bottom w0.102: v1(59.98,66.57) v1(59.98,60.1) ; v1(11.09,66.57) v1(11.09,55.02)
/DMA Controller/GA15: length 116.9
  Top w0.102: v1(49.19,16.28) v1(72.43,16.28) ; U$4.31 v1(21.12,57.56) ; v1(21.12,14.4) 21.23,14.5 v1(49.19,14.5)
  Bottom w0.102: GYFLIPPER0.12 72.43,32.03 v1(72.43,16.28) ; v1(49.19,14.5) v1(49.19,16.28) ; v1(21.12,57.56) v1(21.12,14.4)
/DMA Controller/GA16: length 136.2
  Top w0.102: v1(130.85,58.83) 98.46,58.83 97.51,57.87 88.41,57.87 87.46,58.83 85.99,58.83 85.76,58.6 36.59,58.6 35.86,57.87 27.45,57.87 26.82,58.51 15.34,58.51 14.39,57.56 U$4.2
  Bottom w0.102: v1(130.85,58.83) 131,58.98 131,69.85 130.98,69.88 131.36,70.26 IC3.19
/DMA Controller/GA17: length 139
  Top w0.102: v1(18.45,65.94) 20.36,65.94 20.41,65.99 87,65.99 88.41,67.4 91.35,67.4 91.46,67.29 95.92,67.29 96.03,67.4 96.82,67.4 97.46,66.76 113.77,66.76 v1(113.83,66.83) ; v1(113.83,74.07) 130.72,74.07 IC3.18 ; U$4.30 18.58,55.02 v1(18.45,54.89)
  Bottom w0.102: v1(18.45,54.89) v1(18.45,65.94) ; v1(113.83,66.83) v1(113.83,74.07)
/DMA Controller/GA18: length 139.8
  Top w0.102: U$4.1 10.51,61.81 25.04,61.81 25.27,62.04 25.6,62.04 25.8,61.85 57.77,61.85 58.12,61.49 87.59,61.49 88.41,62.32 97.29,62.32 98.56,61.05 130.53,61.05 v1(130.59,60.99) ; v1(130.34,75.21) 130.47,75.34 IC3.17
  Bottom w0.102: v1(130.59,60.99) 130.59,74.96 v1(130.34,75.21)
/DMA Controller/GX-CARRY: length 39.3
  Top w0.102: IC1.6 v1(92.31,71.53) ; v1(92.31,65.05) v1(72.43,65.05) ; GXH0.10 v1(72.3,60.1)
  Bottom w0.102: v1(92.31,71.53) v1(92.31,65.05) ; v1(72.3,60.1) 72.43,60.22 v1(72.43,65.05)
